# Altium PCB Thunderscope_Rev3.PCBDOC (part 3 of 6)
Units mm, origin at the board's own origin, x right, y up, seen from the top; angles counter-clockwise.
Board outline 119 x 104 mm, 6 copper layers (Top Layer, Int1 (GND), Int2 (Sign), Int3 (Sign), Int4 (GND), Bottom Layer), stack 1.49 mm thick; 575 components, 342 nets, 2000 pads, 1216 vias.
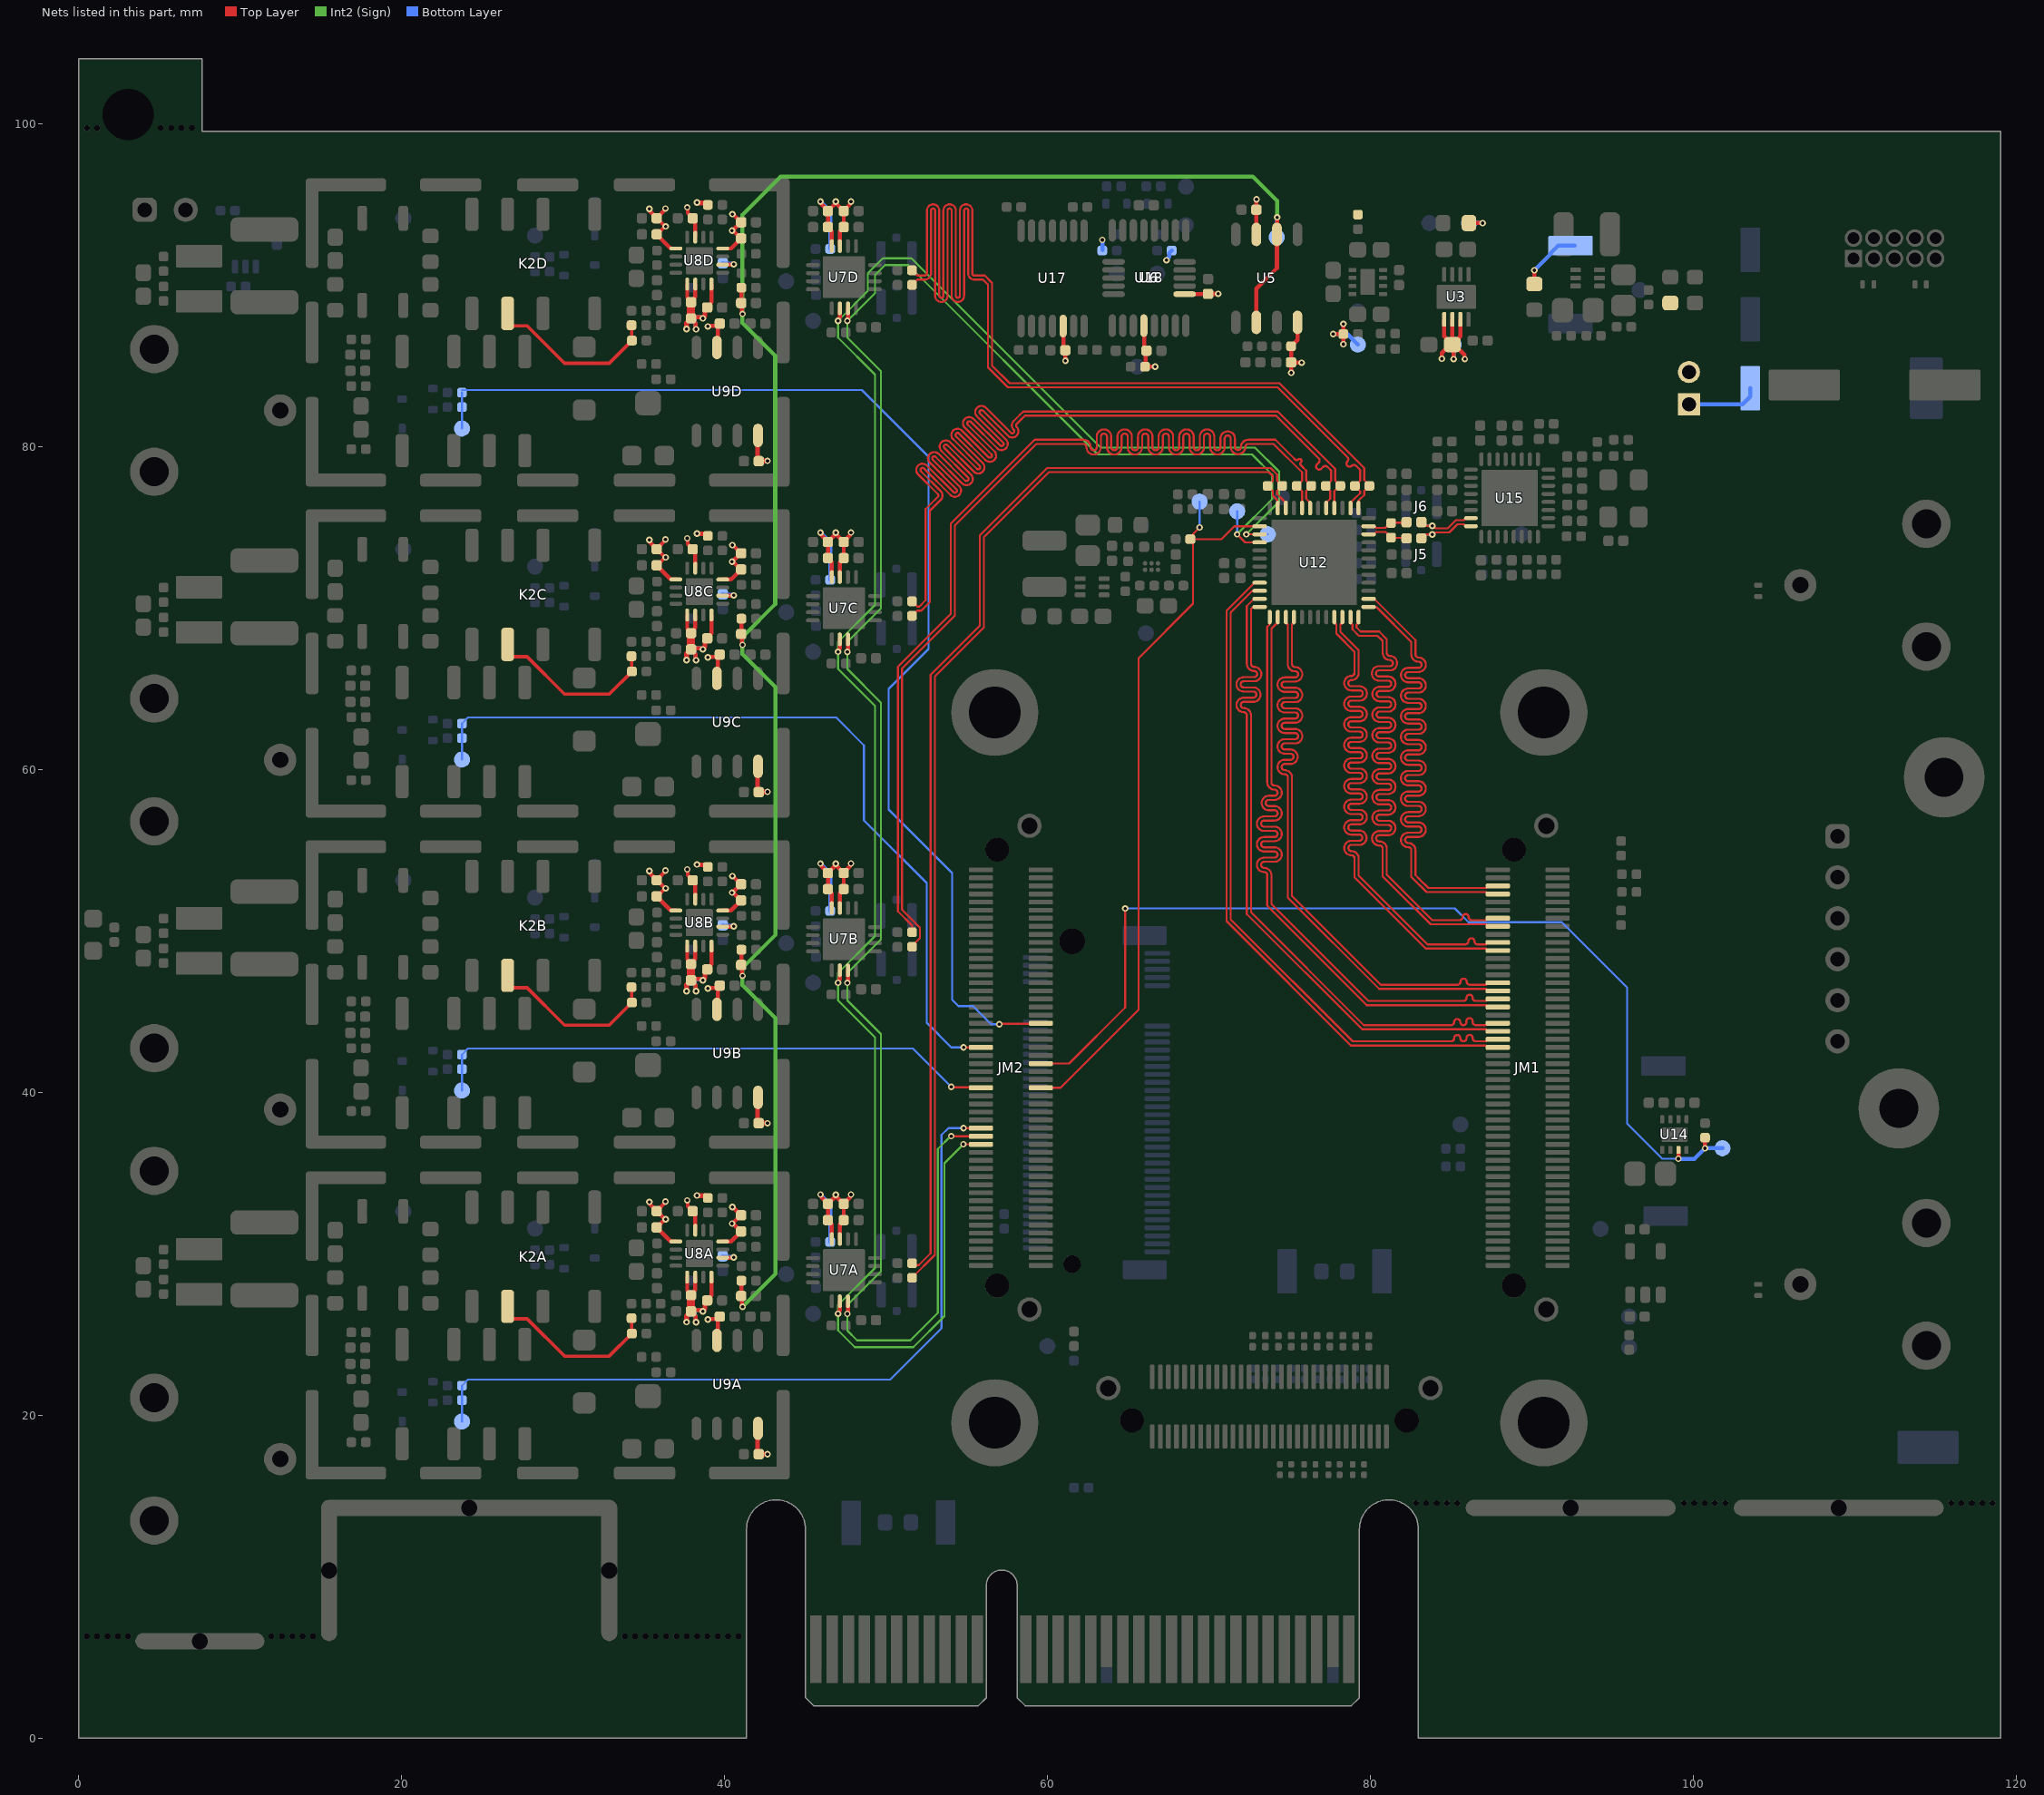
[diagram p7: the nets of this part, all layers, seen from the top]

## Via types
v1: diameter 0.406, hole 0.203, Top Layer to Bottom Layer, tented both sides, 1216 vias

## Nets (pads, with @x,y where several pads share a name; then routed paths per layer and width w, separated by ;. In a path a pad name is that pad's centre, name@x,y a point inside that pad or via, vN(x,y) a via of type N, cw(c..) or ccw(c..) an arc to the next point about the centre after c; other vN are vias at no path point) (continued)
+5V: C7.2 C12.1 C13.2 C22A.2 C22B.2 C22C.2 C22D.2 C23A.2 C23B.2 C23C.2 C23D.2 C24A.2 C24B.2 C24C.2 C24D.2 C25A.2 C25B.2 C25C.2 C25D.2 C31A.2 C31B.2 C31C.2 C31D.2 C32A.1 C32B.1 C32C.1 C32D.1 C33A.1 C33B.1 C33C.1 C33D.1 C34A.1 C34B.1 C34C.1 C34D.1 C35A.2 C35B.2 C35C.2 C35D.2 C36A.2 C36B.2 C36C.2 C36D.2 C107.2 C108.2 FB7.2 R22.2 R23.2 R97A.2 R97B.2 R97C.2 R97D.2 TP10.1 U3.1 U3.2 U3.3 U5.7 U6.1 U7A.3 U7A.4 U7B.3 U7B.4 U7C.3 U7C.4 U7D.3 U7D.4 U8A.1 U8A.12 U8A.15 U8B.1 U8B.12 U8B.15 U8C.1 U8C.12 U8C.15 U8D.1 U8D.12 U8D.15 U9A.7 U9B.7 U9C.7 U9D.7 U17.12 U18.4 | length 114.2
  Top Layer w0.25: v1(35.325,33.204) 35.365,33.165 35.365,33.064 35.785,32.644 C32A.1@35.785,32.625 C32A.1@35.804,32.625 ; v1(35.325,53.704) 35.365,53.665 35.365,53.564 35.785,53.144 C32B.1@35.785,53.125 C32B.1@35.804,53.125 ; v1(35.325,74.204) 35.365,74.165 35.365,74.064 35.785,73.644 C32C.1@35.785,73.625 C32C.1@35.804,73.625 ; v1(35.325,94.704) 35.365,94.665 35.365,94.564 35.785,94.144 C32D.1@35.785,94.125 C32D.1@35.804,94.125 ; C34A.1@35.785,31.625 36.658,30.752 36.698,30.752 36.7,30.75 U8A.1@36.975,30.75 ; C34B.1@35.785,52.125 36.658,51.252 36.698,51.252 36.7,51.25 U8B.1@36.975,51.25 ; C34C.1@35.785,72.625 36.658,71.752 36.698,71.752 36.7,71.75 U8C.1@36.975,71.75 ; C34D.1@35.785,93.125 36.658,92.252 36.698,92.252 36.7,92.25 U8D.1@36.975,92.25 ; C34A.1@35.804,31.625 36.301,32.122 v1(36.335,32.122) ; C34B.1@35.804,52.125 36.301,52.622 v1(36.335,52.622) ; C34C.1@35.804,72.625 36.301,73.122 v1(36.335,73.122) ; C34D.1@35.804,93.125 36.301,93.622 v1(36.335,93.622) ; v1@36.275,32.125 36.275,32.154 C32A.1@35.804,32.625 ; v1@36.275,52.625 36.275,52.654 C32B.1@35.804,53.125 ; v1@36.275,73.125 36.275,73.154 C32C.1@35.804,73.625 ; v1@36.275,93.625 36.275,93.654 C32D.1@35.804,94.125 ; v1(36.325,33.225) 36.325,33.184 35.804,32.663 C32A.1@35.804,32.625 ; v1(36.325,53.725) 36.325,53.684 35.804,53.163 C32B.1@35.804,53.125 ; v1(36.325,74.225) 36.325,74.184 35.804,73.663 C32C.1@35.804,73.625 ; v1(36.325,94.725) 36.325,94.684 35.804,94.163 C32D.1@35.804,94.125 ; v1(37.675,33.3) 37.705,33.27 37.705,32.949 38.175,32.479 U8A.15@38.175,31.45 ; v1(37.675,53.8) 37.705,53.77 37.705,53.449 38.175,52.979 U8B.15@38.175,51.95 ; v1(37.675,74.3) 37.705,74.27 37.705,73.949 38.175,73.479 U8C.15@38.175,72.45 ; v1(37.675,94.8) 37.705,94.77 37.705,94.449 38.175,93.979 U8D.15@38.175,92.95 ; v1@38.95,25.883 v1(38.95,25.925) 38.98,25.955 39.545,25.955 39.581,25.991 C31A.2@39.69,26.1 ; v1@38.95,46.383 v1(38.95,46.425) 38.98,46.455 39.545,46.455 39.581,46.491 C31B.2@39.69,46.6 ; v1@38.95,66.883 v1(38.95,66.925) 38.98,66.955 39.545,66.955 39.581,66.991 C31C.2@39.69,67.1 ; v1@38.95,87.383 v1(38.95,87.425) 38.98,87.455 39.545,87.455 39.581,87.491 C31D.2@39.69,87.6 ; U8A.12@39.875,30.75 40.39,30.75 C24A.2@41.015,31.375 40.996,31.375 40.553,31.818 40.492,31.818 v1(40.453,31.857) 40.479,31.857 C33A.1@40.996,32.375 ; U8B.12@39.875,51.25 40.39,51.25 C24B.2@41.015,51.875 40.996,51.875 40.553,52.318 40.492,52.318 v1(40.453,52.357) 40.479,52.357 C33B.1@40.996,52.875 ; U8C.12@39.875,71.75 40.39,71.75 C24C.2@41.015,72.375 40.996,72.375 40.553,72.818 40.492,72.818 v1(40.453,72.857) 40.479,72.857 C33C.1@40.996,73.375 ; U8D.12@39.875,92.25 40.39,92.25 C24D.2@41.015,92.875 40.996,92.875 40.553,93.318 40.492,93.318 v1(40.453,93.357) 40.479,93.357 C33D.1@40.996,93.875 ; v1(40.472,32.881) 40.491,32.881 C33A.1@40.996,32.375 ; v1(40.472,53.381) 40.491,53.381 C33B.1@40.996,52.875 ; v1(40.472,73.881) 40.491,73.881 C33C.1@40.996,73.375 ; v1(40.472,94.381) 40.491,94.381 C33D.1@40.996,93.875 ; C33A.1@41.015,32.375 C33A.1@40.996,32.375 ; C33B.1@41.015,52.875 C33B.1@40.996,52.875 ; C33C.1@41.015,73.375 C33C.1@40.996,73.375 ; C33D.1@41.015,93.875 C33D.1@40.996,93.875 ; v1(45.928,33.657) 45.968,33.617 45.968,33.511 46.385,33.094 C36A.2@46.385,33.075 ; v1(45.928,54.157) 45.968,54.117 45.968,54.011 46.385,53.594 C36B.2@46.385,53.575 ; v1(45.928,74.657) 45.968,74.617 45.968,74.511 46.385,74.094 C36C.2@46.385,74.075 ; v1(45.928,95.157) 45.968,95.117 45.968,95.011 46.385,94.594 C36D.2@46.385,94.575 ; U7A.4@46.625,30.9 46.625,31.816 46.385,32.056 C22A.2@46.385,32.075 C36A.2@46.385,33.075 ; U7B.4@46.625,51.4 46.625,52.316 46.385,52.556 C22B.2@46.385,52.575 C36B.2@46.385,53.575 ; U7C.4@46.625,71.9 46.625,72.816 46.385,73.056 C22C.2@46.385,73.075 C36C.2@46.385,74.075 ; U7D.4@46.625,92.4 46.625,93.316 46.385,93.556 C22D.2@46.385,93.575 C36D.2@46.385,94.575 ; U7A.3@47.125,30.9 47.125,31.816 47.365,32.056 C23A.2@47.365,32.075 C25A.2@47.365,33.075 46.905,33.535 46.905,33.62 v1(46.875,33.65) 46.845,33.62 46.845,33.535 C36A.2@46.385,33.075 ; U7B.3@47.125,51.4 47.125,52.316 47.365,52.556 C23B.2@47.365,52.575 C25B.2@47.365,53.575 46.905,54.035 46.905,54.12 v1(46.875,54.15) 46.845,54.12 46.845,54.035 C36B.2@46.385,53.575 ; U7C.3@47.125,71.9 47.125,72.816 47.365,73.056 C23C.2@47.365,73.075 C25C.2@47.365,74.075 46.905,74.535 46.905,74.62 v1(46.875,74.65) 46.845,74.62 46.845,74.535 C36C.2@46.385,74.075 ; U7D.3@47.125,92.4 47.125,93.316 47.365,93.556 C23D.2@47.365,93.575 C25D.2@47.365,94.575 46.905,95.035 46.905,95.12 v1(46.875,95.15) 46.845,95.12 46.845,95.035 C36D.2@46.385,94.575 ; C25A.2@47.365,33.094 47.778,33.507 47.778,33.62 v1(47.817,33.66) ; C25B.2@47.365,53.594 47.778,54.007 47.778,54.12 v1(47.817,54.16) ; C25C.2@47.365,74.094 47.778,74.507 47.778,74.62 v1(47.817,74.66) ; C25D.2@47.365,94.594 47.778,95.007 47.778,95.12 v1(47.817,95.16)
  Top Layer w0.254: U9A.7@39.515,24.625 39.581,24.691 C31A.2@39.581,25.991 ; U9B.7@39.515,45.125 39.581,45.191 C31B.2@39.581,46.491 ; U9C.7@39.515,65.625 39.581,65.691 C31C.2@39.581,66.991 ; U9D.7@39.515,86.125 39.581,86.191 C31D.2@39.581,87.491 ; U9A.7@39.565,24.625 U9A.7@39.603,24.663 ; U9B.7@39.565,45.125 U9B.7@39.603,45.163 ; U9C.7@39.565,65.625 U9C.7@39.603,65.663 ; U9D.7@39.565,86.125 U9D.7@39.603,86.163 ; U17.12@60.95,87.45 60.988,87.412 60.988,86.048 C107.2@61.091,85.944 ; v1(61.096,85.304) 61.091,85.309 61.091,85.933 C107.2@61.096,85.939 ; U18.4@65.95,87.475 65.988,87.438 65.988,86.052 C108.2@66.115,85.925 66.07,85.88 66.07,84.97 FB7.2@66.025,84.925 v1@66.649,84.925 ; U6.1@68.475,89.425 68.482,89.433 69.918,89.433 C13.2@69.925,89.44 v1@70.549,89.44 ; U5.7@72.92,93.125 72.918,93.127 72.918,94.648 C12.1@72.915,94.65 72.92,94.655 72.92,95.295 v1(72.925,95.3) ; v1(84.4,85.425) 84.4,85.775 84.577,85.952 84.592,85.952 84.94,86.3 C7.2@85.05,86.3 ; U3.1@84.55,87.855 84.55,86.81 C7.2@85.05,86.31 ; U3.2@85.05,87.855 C7.2@85.05,86.31 ; v1(85.125,85.4) 85.125,86.075 85.05,86.15 C7.2@85.05,86.3 ; U3.3@85.55,87.855 85.55,86.81 C7.2@85.05,86.31 ; v1(85.825,85.4) 85.796,85.429 85.796,85.654 85.15,86.3 C7.2@85.05,86.3 ; C7.2@85.05,86.3 C7.2@85.05,86.31
  Bottom Layer w0.254: v1(45.928,33.657) 46.525,33.06 R97A.2@46.525,30.725 ; v1(45.928,54.157) 46.525,53.56 R97B.2@46.525,51.225 ; v1(45.928,74.657) 46.525,74.06 R97C.2@46.525,71.725 ; v1(45.928,95.157) 46.525,94.56 R97D.2@46.525,92.225 ; R23.2@63.379,92.151 v1@63.379,92.775 ; v1(67.35,91.525) 67.35,91.566 67.516,91.732 67.516,91.966 R22.2@67.675,92.125 ; v1(85.125,85.4) TP10.1@85.125,86.3
  other v1: 66.654,84.931 70.554,89.446 63.374,92.781
+5V2: R4.2 R7.1 R8.1 TP4.1 TP13.1 | length 5.7
  Top Layer w0.254: R7.1@86.08,93.825 v1(86.93,93.825) ; R4.2@90.125,90.05 v1(90.125,90.9)
  Bottom Layer w0.254: TP13.1@86.08,93.825 v1(86.93,93.825) ; v1(90.125,90.9) 91.127,91.902 91.127,91.952 91.6,92.425 TP4.1@92.625,92.425
+VUSB: J12.1 J12.2 R3.2 TP18.1 | length 4.5
  Bottom Layer w0.254: J12.1@99.7,82.6 103.027,82.6 103.5,83.073 TP18.1@103.5,83.6
-5V: C14.2 C37A.2 C37B.2 C37C.2 C37D.2 C38A.2 C38B.2 C38C.2 C38D.2 C39A.1 C39B.1 C39C.1 C39D.1 C63A.1 C63B.1 C63C.1 C63D.1 C64A.1 C64B.1 C64C.1 C64D.1 C78A.2 C78B.2 C78C.2 C78D.2 R9.2 R16.1 R32A.2 R32B.2 R32C.2 R32D.2 R51A.1 R51B.1 R51C.1 R51D.1 TP15.1 U5.4 U8A.5 U8A.6 U8A.8 U8A.10 U8B.5 U8B.6 U8B.8 U8B.10 U8C.5 U8C.6 U8C.8 U8C.10 U8D.5 U8D.6 U8D.8 U8D.10 U9A.4 U9B.4 U9C.4 U9D.4 | length 70.1
  Top Layer w0.127: C38A.2@37.91,27.425 C38A.2@37.91,27.477 ; C38B.2@37.91,47.925 C38B.2@37.91,47.977 ; C38C.2@37.91,68.425 C38C.2@37.91,68.477 ; C38D.2@37.91,88.925 C38D.2@37.91,88.977 ; C37A.2@38.915,27.1 C37A.2@38.915,27.152 ; C37B.2@38.915,47.6 C37B.2@38.915,47.652 ; C37C.2@38.915,68.1 C37C.2@38.915,68.152 ; C37D.2@38.915,88.6 C37D.2@38.915,88.652
  Top Layer w0.25: U8A.5@37.675,28.55 37.675,27.712 37.91,27.477 38.175,27.742 U8A.6@38.175,28.55 ; U8B.5@37.675,49.05 37.675,48.212 37.91,47.977 38.175,48.242 U8B.6@38.175,49.05 ; U8C.5@37.675,69.55 37.675,68.712 37.91,68.477 38.175,68.742 U8C.6@38.175,69.55 ; U8D.5@37.675,90.05 37.675,89.212 37.91,88.977 38.175,89.242 U8D.6@38.175,90.05 ; C39A.1@37.91,26.425 38.035,26.55 38.084,26.501 38.519,26.501 38.595,26.425 v1(38.65,26.425) ; C39B.1@37.91,46.925 38.035,47.05 38.084,47.001 38.519,47.001 38.595,46.925 v1(38.65,46.925) ; C39C.1@37.91,67.425 38.035,67.55 38.084,67.501 38.519,67.501 38.595,67.425 v1(38.65,67.425) ; C39D.1@37.91,87.925 38.035,88.05 38.084,88.001 38.519,88.001 38.595,87.925 v1(38.65,87.925) ; C39A.1@38.004,26.313 38.204,26.113 38.204,25.771 v1(38.225,25.75) ; C39B.1@38.004,46.813 38.204,46.613 38.204,46.271 v1(38.225,46.25) ; C39C.1@38.004,67.313 38.204,67.113 38.204,66.771 v1(38.225,66.75) ; C39D.1@38.004,87.813 38.204,87.613 38.204,87.271 v1(38.225,87.25) ; C37A.2@38.915,27.152 39.175,27.412 U8A.8@39.175,28.55 ; C37B.2@38.915,47.652 39.175,47.912 U8B.8@39.175,49.05 ; C37C.2@38.915,68.152 39.175,68.412 U8C.8@39.175,69.55 ; C37D.2@38.915,88.652 39.175,88.912 U8D.8@39.175,90.05 ; U8A.10@39.875,29.75 40.539,29.75 v1(40.559,29.769) ; U8B.10@39.875,50.25 40.539,50.25 v1(40.559,50.269) ; U8C.10@39.875,70.75 40.539,70.75 v1(40.559,70.769) ; U8D.10@39.875,91.25 40.539,91.25 v1(40.559,91.269) ; C14.2@75.07,85.195 75.07,84.555 v1(75.075,84.55) ; U5.4@75.46,87.675 75.46,86.595 R16.1@75.065,86.2 C14.2@75.065,85.2 75.078,85.188 75.703,85.188 v1(75.715,85.175) ; v1(77.67,86.95) R9.2@78.3,86.95 ; v1(78.3,86.32) R9.2@78.3,86.95 ; v1(78.3,87.58) R9.2@78.3,86.95
  Top Layer w0.3: v1(37.637,25.762) 37.637,26.146 37.902,26.411 C39A.1@37.902,26.417 ; v1(37.637,46.262) 37.637,46.646 37.902,46.911 C39B.1@37.902,46.917 ; v1(37.637,66.762) 37.637,67.146 37.902,67.411 C39C.1@37.902,67.417 ; v1(37.637,87.262) 37.637,87.646 37.902,87.911 C39D.1@37.902,87.917 ; v1(38.275,33.6) 38.295,33.58 38.82,33.58 R51A.1@38.95,33.45 ; v1(38.275,54.1) 38.295,54.08 38.82,54.08 R51B.1@38.95,53.95 ; v1(38.275,74.6) 38.295,74.58 38.82,74.58 R51C.1@38.95,74.45 ; v1(38.275,95.1) 38.295,95.08 38.82,95.08 R51D.1@38.95,94.95 ; v1(38.65,26.425) 38.65,26.468 38.773,26.591 38.773,26.958 C37A.2@38.915,27.1 ; v1(38.65,46.925) 38.65,46.968 38.773,47.091 38.773,47.458 C37B.2@38.915,47.6 ; v1(38.65,67.425) 38.65,67.468 38.773,67.591 38.773,67.958 C37C.2@38.915,68.1 ; v1(38.65,87.925) 38.65,87.968 38.773,88.091 38.773,88.458 C37D.2@38.915,88.6 ; C64A.1@42.03,17.655 U9A.4@42.03,19.15 ; C64B.1@42.03,38.155 U9B.4@42.03,39.65 ; C64C.1@42.03,58.655 U9C.4@42.03,60.15 ; C64D.1@42.03,79.155 U9D.4@42.03,80.65 ; U9A.4@42.08,19.15 U9A.4@42.105,19.175 ; U9B.4@42.08,39.65 U9B.4@42.105,39.675 ; U9C.4@42.08,60.15 U9C.4@42.105,60.175 ; U9D.4@42.08,80.65 U9D.4@42.105,80.675 ; C64A.1@42.1,17.575 42.115,17.59 42.128,17.578 42.647,17.578 v1(42.65,17.575) ; C64B.1@42.1,38.075 42.115,38.09 42.128,38.078 42.647,38.078 v1(42.65,38.075) ; C64C.1@42.1,58.575 42.115,58.59 42.64,58.59 v1(42.65,58.6) ; C64D.1@42.1,79.075 42.115,79.09 42.64,79.09 v1(42.65,79.1)
  Top Layer w0.5: C39A.1@37.91,26.425 C38A.2@37.91,27.425 ; C39B.1@37.91,46.925 C38B.2@37.91,47.925 ; C39C.1@37.91,67.425 C38C.2@37.91,68.425 ; C39D.1@37.91,87.925 C38D.2@37.91,88.925
  Bottom Layer w0.25: v1(37.637,25.762) 37.621,25.777 37.621,26.117 37.91,26.406 C78A.2@37.91,26.425 37.983,26.498 38.534,26.498 38.607,26.425 v1(38.65,26.425) ; v1(37.637,46.262) 37.621,46.277 37.621,46.617 37.91,46.906 C78B.2@37.91,46.925 37.983,46.998 38.534,46.998 38.607,46.925 v1(38.65,46.925) ; v1(37.637,66.762) 37.621,66.777 37.621,67.117 37.91,67.406 C78C.2@37.91,67.425 37.983,67.498 38.534,67.498 38.607,67.425 v1(38.65,67.425) ; v1(37.637,87.262) 37.621,87.277 37.621,87.617 37.91,87.906 C78D.2@37.91,87.925 37.983,87.998 38.534,87.998 38.607,87.925 v1(38.65,87.925) ; R32A.2@37.9,27.425 37.905,27.42 C78A.2@37.905,26.43 ; R32B.2@37.9,47.925 37.905,47.92 C78B.2@37.905,46.93 ; R32C.2@37.9,68.425 37.905,68.42 C78C.2@37.905,67.43 ; R32D.2@37.9,88.925 37.905,88.92 C78D.2@37.905,87.93 ; C78A.2@37.91,26.42 38.195,26.135 38.195,25.78 v1(38.225,25.75) ; C78B.2@37.91,46.92 38.195,46.635 38.195,46.28 v1(38.225,46.25) ; C78C.2@37.91,67.42 38.195,67.135 38.195,66.78 v1(38.225,66.75) ; C78D.2@37.91,87.92 38.195,87.635 38.195,87.28 v1(38.225,87.25) ; C63A.1@39.875,29.835 39.908,29.802 40.526,29.802 v1(40.559,29.769) ; C63B.1@39.875,50.335 39.908,50.302 40.526,50.302 v1(40.559,50.269) ; C63C.1@39.875,70.835 39.908,70.802 40.526,70.802 v1(40.559,70.769) ; C63D.1@39.875,91.335 39.908,91.302 40.526,91.302 v1(40.559,91.269) ; v1(77.67,86.95) 78.55,86.95 TP15.1@79.2,86.3
-VBIAS: C28A.1 C28B.1 C28C.1 C28D.1 R47A.1 R47B.1 R47C.1 R47D.1 TP19.1 U5.2 U5.6 | length 123.1
  Top Layer w0.25: R47A.1@41.025,28.325 41.02,28.32 41.02,27.38 C28A.1@41.015,27.375 41.07,27.32 41.07,26.73 v1(41.1,26.7) ; R47B.1@41.025,48.825 41.02,48.82 41.02,47.88 C28B.1@41.015,47.875 41.07,47.82 41.07,47.23 v1(41.1,47.2) ; R47C.1@41.025,69.325 41.02,69.32 41.02,68.38 C28C.1@41.015,68.375 41.07,68.32 41.07,67.73 v1(41.1,67.7) ; R47D.1@41.025,89.825 41.02,89.82 41.02,88.88 C28D.1@41.015,88.875 41.07,88.82 41.07,88.23 v1(41.1,88.2)
  Top Layer w0.254: U5.2@72.92,87.675 72.92,89.77 74.19,91.04 U5.6@74.19,93.125 74.195,93.13 74.195,94.175 v1(74.201,94.18)
  Int2 (Sign) w0.254: v1(41.1,26.7) 43.15,28.75 43.15,44.575 41.1,46.625 ; 41.1,46.675 v1(41.1,47.2) 41.1,47.7 43.15,49.75 43.15,65.075 41.1,67.125 ; 41.1,67.175 v1(41.1,67.7) 41.1,68.2 43.125,70.225 43.125,85.6 41.1,87.625 v1(41.1,88.2) 41.1,94.339 43.461,96.7 72.7,96.7 74.201,95.199 v1(74.201,94.18)
  Bottom Layer w0.254: TP19.1@74.175,92.95 74.188,92.963 74.188,93.992 v1@74.201,94.005
ACQ_EN: JM2.52 R38.2 TP33.1 U14.3 | length 62.6
  Top Layer w0.127: JM2.52@59.567,41.771 61.321,41.771 64.8,45.25 v1(64.8,51.375)
  Top Layer w0.254: v1(99.05,35.875) U14.3@99.05,36.425 ; v1(100.7,36.525) R38.2@100.7,37.175
  Bottom Layer w0.127: v1(64.8,51.375) 85.2,51.375 86.05,50.525 91.825,50.525 95.875,46.475 95.875,38.05 98.05,35.875 v1(99.05,35.875)
  Bottom Layer w0.254: v1(99.05,35.875) 100.05,35.875 v1(100.7,36.525) TP33.1@101.775,36.525
ADC_CLK_C_N: C104.1 R64.1 U12.34 | length 2.6
  Top Layer w0.127: U12.34@79.868,74.55 80.186,74.55 80.329,74.693 80.915,74.693 R64.1@81.257,74.35 81.282,74.325 82.19,74.325 C104.1@82.215,74.3
ADC_CLK_C_P: C103.1 R64.2 U12.35 | length 2.5
  Top Layer w0.127: U12.35@79.868,75.05 80.226,75.05 80.329,74.947 80.907,74.947 81.21,75.25 R64.2@81.257,75.25 81.282,75.275 82.19,75.275 C103.1@82.215,75.3
ADC_CLK_N: C104.2 J5.1 U15.24 | length 4.2
  Top Layer w0.127: C104.2@83.135,74.3 83.187,74.3 83.43,74.542 v1@83.776,74.542 ; v1(83.804,74.54) 83.879,74.54 84.007,74.668 84.206,74.668 84.868,74.668 85.371,75.171 85.764,75.171 85.885,75.05 U15.24@86.2,75.05
  Bottom Layer w0.127: J5.1@83.125,74.3 83.19,74.3 83.43,74.54 v1@83.779,74.54
ADC_CLK_P: C103.2 J6.1 U15.23 | length 4.2
  Top Layer w0.127: C103.2@83.135,75.3 83.332,75.103 83.429,75.103 83.459,75.073 v1@83.781,75.073 ; v1(83.806,75.073) 83.872,75.073 84.02,74.925 84.407,74.925 84.761,74.925 85.265,75.429 85.764,75.429 85.885,75.55 U15.23@86.2,75.55
  Bottom Layer w0.127: J6.1@83.125,75.3 83.19,75.3 83.417,75.073 v1@83.781,75.073
ADC_CSn: JM2.46 R42.1 TP29.1 U12.2 | length 45.8
  Top Layer w0.127: JM2.46@59.567,40.271 60.796,40.271 65.625,45.1 65.625,66.875 69,70.25 69,74.15 R42.1@68.9,74.25 ; R42.1@68.825,74.25 R42.1@68.9,74.25 ; R42.1@68.85,74.275 69.008,74.433 69.008,74.583 v1(69.4,74.975) ; U12.2@73.118,75.05 71.55,75.05 70.75,74.25 R42.1@68.9,74.25
  Bottom Layer w0.127: v1(69.4,74.975) TP29.1@69.4,76.575
ADC_SCLK: JM2.33 TP35.1 U7A.11 U7B.11 U7C.11 U7D.11 U12.4 | length 132
  Top Layer w0.127: v1(54.025,37.275) 54.027,37.273 55.86,37.273 JM2.33@55.863,37.271 ; v1(71.725,74.55) 72.225,74.05 U12.4@73.118,74.05
  Top Layer w0.25: v1(47.593,26.27) 47.625,26.302 U7A.11@47.625,27.05 ; v1(47.593,46.77) 47.625,46.802 U7B.11@47.625,47.55 ; v1(47.593,67.27) 47.625,67.302 U7C.11@47.625,68.05 ; v1(47.593,87.77) 47.625,87.802 U7D.11@47.625,88.55
  Int2 (Sign) w0.127: v1(54.025,37.275) 54,37.275 53.2,36.475 53.2,26.325 51.5,24.625 48.2,24.625 47.593,25.232 v1(47.593,26.27) 47.593,26.818 49.675,28.9 49.675,43.6 47.593,45.682 v1(47.593,46.77) 47.593,47.38 49.675,49.461 49.675,64.125 47.593,66.207 v1(47.593,67.27) 47.593,67.88 49.675,69.961 49.675,84.65 47.593,86.732 v1(47.593,87.77) 49.3,89.477 49.3,90.6 49.925,91.225 51.375,91.225 63.1,79.5 72.65,79.5 73.9,78.25 73.9,76.725 v1(71.725,74.55)
  Bottom Layer w0.127: v1(71.725,74.55) TP35.1@71.725,75.975
ADC_SDATA: JM2.31 TP34.1 U7A.10 U7B.10 U7C.10 U7D.10 U12.3 | length 133.5
  Top Layer w0.127: v1(54.775,36.775) 54.777,36.773 55.865,36.773 JM2.31@55.867,36.771 ; v1(72.3,74.55) U12.3@73.118,74.55
  Top Layer w0.25: v1(47.009,26.275) 47.009,26.364 47.125,26.48 U7A.10@47.125,27.05 ; v1(47.009,46.775) 47.009,46.864 47.125,46.98 U7B.10@47.125,47.55 ; v1(47.009,67.275) 47.009,67.364 47.125,67.48 U7C.10@47.125,68.05 ; v1(47.009,87.775) 47.009,87.864 47.125,87.98 U7D.10@47.125,88.55
  Int2 (Sign) w0.127: v1(54.775,36.775) 53.6,35.6 53.6,26.125 51.675,24.2 48.05,24.2 47.009,25.241 v1(47.009,26.275) 47.009,26.823 49.3,29.114 49.3,43.395 47.009,45.686 v1(47.009,46.775) 47.009,47.384 49.3,49.675 49.3,63.92 47.009,66.211 v1(47.009,67.275) 47.009,67.884 49.3,70.175 49.3,84.445 47.009,86.736 v1(47.009,87.775) 48.85,89.616 48.85,90.725 49.775,91.65 51.55,91.65 63.275,79.925 72.826,79.925 74.325,78.426 74.325,76.575 v1(72.3,74.55)
  Bottom Layer w0.127: v1(72.3,74.55) TP34.1@73.625,74.55
ATTEN_1: JM2.35 R27A.2 R28A.2 TP25A.1 | length 47.9
  Top Layer w0.127: v1(54.787,37.775) 54.789,37.773 55.798,37.773 JM2.35@55.8,37.775
  Bottom Layer w0.127: TP25A.1@23.725,19.6 R28A.2@23.725,20.925 R27A.2@23.725,21.825 24.101,22.201 50.251,22.201 53.425,25.375 53.425,37.35 53.85,37.775 v1(54.787,37.775)
ATTEN_2: JM2.45 R27B.2 R28B.2 TP25B.1 | length 35.5
  Top Layer w0.127: v1(54.025,40.325) 54.052,40.298 55.865,40.298 JM2.45@55.877,40.285
  Bottom Layer w0.127: TP25B.1@23.725,40.1 R28B.2@23.725,41.425 R27B.2@23.725,42.325 24.1,42.7 51.65,42.7 v1(54.025,40.325)
ATTEN_3: JM2.55 R27C.2 R28C.2 TP25C.1 | length 50.7
  Top Layer w0.127: v1@54.789,42.773 JM2.55@55.831,42.773
  Bottom Layer w0.127: TP25C.1@23.725,60.6 R28C.2@23.725,61.925 R27C.2@23.725,62.825 24.1,63.2 24.375,63.2 46.9,63.2 48.615,61.485 48.615,56.835 52.5,52.95 52.5,44.3 54.025,42.775 v1(54.787,42.775)
ATTEN_4: JM2.62 R27D.2 R28D.2 TP25D.1 | length 75.3
  Top Layer w0.127: v1(57,44.2) 57.035,44.235 59.532,44.235 JM2.62@59.567,44.271
  Bottom Layer w0.127: TP25D.1@23.725,81.1 R28D.2@23.725,82.425 R27D.2@23.725,83.325 ; R27D.2@23.725,83.491 48.484,83.491 52.625,79.35 52.625,67.45 50.15,64.975 50.15,57.5 54.075,53.575 54.075,45.725 54.475,45.325 55.375,45.325 56.5,44.2 v1(57,44.2)
ATTEN_OUTA: K2A.6 R31A.1 R41A.2 | length 10.9
  Top Layer w0.213: K2A.6@26.55,26.73 26.55,26.29 26.876,25.963 27.761,25.963 30.075,23.65 32.85,23.65 R41A.2@34.25,25.05 34.237,25.063 R31A.1@34.237,25.988 ; R31A.1@34.118,26.107 R31A.1@34.237,25.988 ; R31A.1@34.225,26 R31A.1@34.237,25.988